# KiCad board vme-wren.kicad_pcb (continued)
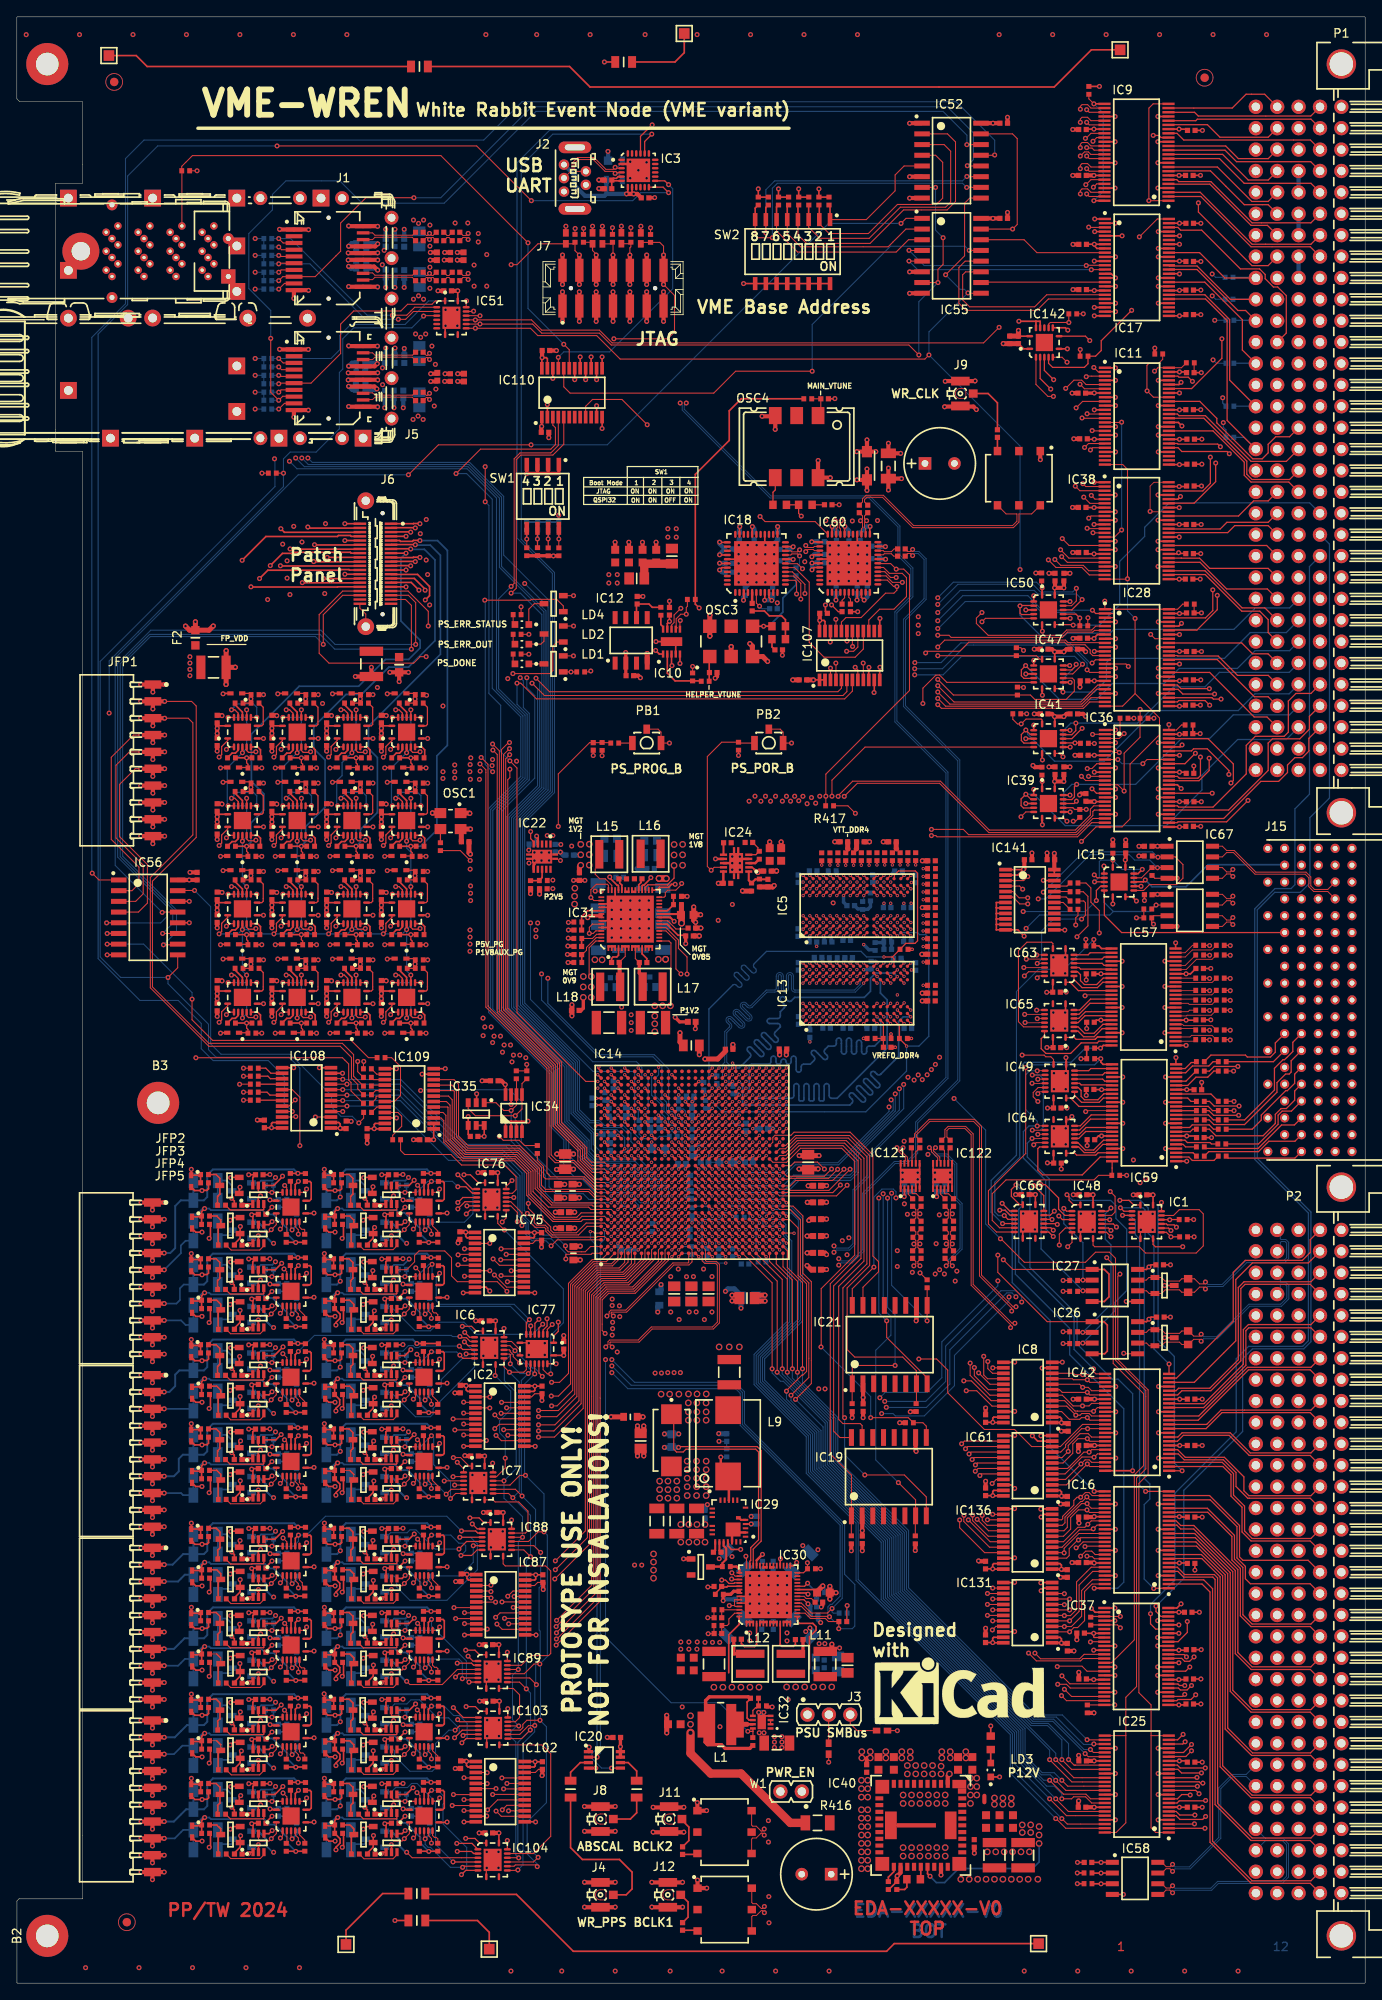
[diagram p0: board, top side]
## Library data of the parts (continued)
C332 C334 C336 C338 = -: Author: CERN DEM WB; Case: 1206; Comment: 22uF; Component Kind: Standard; Component Type: Standard; CreateDate: 07/25/18 00:00:00; Database Table Name: Capacitors; Footprint Library: Capacitors SMD; Footprint Path: PcbLib\Capacitors SMD.PcbLib; Footprint Ref: CAPC3216X180N; LatestRevisionDate: 07/25/18 00:00:00; Library Name: Capacitors SMD; Library Path: SchLib\Capacitors.SchLib; Library Ref: Capacitor - non polarized; License: CC-BY-SA 4.0; Manufacturer: GENERIC; Manufacturer1 ComponentHeight: 1.8mm; Manufacturer1 Example: TDK; Manufacturer1 Part Number: C3216X5R1E226M160; Mounted: Yes; Part Description: SMD Multilayer Chip Ceramic Capacitor; Pin Count: 2; SMD: Yes; Sense: No; Socket: No; Status: None; TC: X5R; Tolerance: ±20%; Val: 22uF; Voltage: 25V
Cage1 = -: Description: SFP; SMD: No; Family: SFP; Library Ref: SFP 1x2 Cage (30Pins); Library Path: SchLib\Connectors.SchLib; Component Kind: Standard; Component Type: Standard; Pin Count: 30; Footprint Path: PcbLib\TYCO THD.PcbLib; Mounted: Yes; Socket: No; PressFit: Yes; Sense: No; Status: None; Part Description: 1x2 Press Fit SFP Ganged (Single Row) Cage; Manufacturer: TYCO ELECTRONICS; Manufacturer Part Number: 1761014-3; ComponentHeight: 9.7mm; Author: CERN DEM JLC; CreateDate: 10/23/17 00:00:00; LatestRevisionDate: 10/23/17 00:00:00; Database Table Name: Connectors; Library Name: TYCO; Footprint Library: TYCO THD; License: CC-BY-SA 4.0
Cage3 = -: Description: SFP+; Library Ref: SFP+ 1x1 Cage (20Pins); Library Path: SchLib\Connectors.SchLib; Component Kind: Standard; Component Type: Standard; Pin Count: 20; Footprint Path: PcbLib\MOLEX THD.PcbLib; Family: SFP+; Mounted: Yes; Socket: No; SMD: No; PressFit: Yes; Sense: No; Status: None; Part Description: 1x1 Press Fit Cage for Use with SFP Connector (Small Form-factor Pluggable); Manufacturer: MOLEX; Manufacturer Part Number: 74737-0009; ComponentHeight: 9.7mm; Author: CERN DEM MR; CreateDate: 01/26/16 00:00:00; LatestRevisionDate: 01/26/16 00:00:00; Database Table Name: Connectors; Library Name: MOLEX; Footprint Library: MOLEX THD; License: CC-BY-SA 4.0
D1 D2 D4-D8 = -: Author: CERN DEM MR; Bonding: No; Case: 0402; Component Kind: Standard; Component Type: Standard; ComponentHeight: 0.44mm; CreateDate: 11/22/19 00:00:00; Database Table Name: ICs And Semiconductors; Footprint Library: ICs And Semiconductors SMD; Footprint Path: PcbLib\ICs And Semiconductors SMD.PcbLib; Footprint Ref: EATON_0402ESDA-MLP; LatestRevisionDate: 11/22/19 00:00:00; Library Name: Diodes; Library Path: SchLib\Diodes.SchLib; Library Ref: Diode TVS Bi-Directional; License: CC-BY-SA 4.0; Manufacturer: EATON; Mounted: Yes; PackageDescription: 0402, 2-Leads, Body 1.1mm L X 0.53mm W X 0.44mm H body, IPC Medium Density; Part Description: 0.05pF 8kV Bidirectional ESD Voltage Suppressor; Pin Count: 2; PressFit: No; SMD: Yes; Sense: No; Socket: No; Voltage: 8kV
D3 D9 D13 D14 D17 D18 D21 D22 D25 D26 D33 D34 D37 D38 D41 D42 D45 D46 D48 D49 D51 D52 D55 D56 D59 D60 D63 D64 D69 D70 D73-D106 = -: SMD: Yes; Library Ref: Diode ESD; Library Path: SchLib\Diodes.SchLib; Component Kind: Standard; Component Type: Standard; PackageDescription: Ultra Small Outline Diode Flat Lead (SOD-523), Body; 1.2mm L X 0.8mm W X 0.65mm H, IPC Medium Density; Voltage: 3V3; Power: 330W; Part Description: ESD protection diode (23kV); Manufacturer: NXP SEMICONDUCTORS; Pin Count: 2; Case: SOD523; Mounted: Yes; Socket: No; PressFit: No; Sense: No; Bonding: No; ComponentHeight: 0.65mm; Footprint Path: PcbLib\ICs And Semiconductors SMD.PcbLib; Footprint Ref: SODFL1608X65N; Author: CERN DEM JLC; CreateDate: 11/29/12 00:00:00; LatestRevisionDate: 11/29/12 00:00:00; Database Table Name: ICs And Semiconductors; Library Name: Diodes; Footprint Library: ICs And Semiconductors SMD; License: CC-BY-SA 4.0
D10 = -: Author: CERN DEM JLC; Bonding: No; Case: SOT23-3; Component Kind: Standard; Component Type: Standard; ComponentHeight: 1.3mm; CreateDate: 06/15/11 00:00:00; Database Table Name: ICs And Semiconductors; Footprint Library: ICs And Semiconductors SMD; Footprint Path: PcbLib\ICs And Semiconductors SMD.PcbLib; Footprint Ref: SOT95P240X130-3N; LatestRevisionDate: 06/15/11 00:00:00; Library Name: Diodes; Library Path: SchLib\Diodes.SchLib; Library Ref: Diode Zener A1C3; License: CC-BY-SA 4.0; Manufacturer: FAIRCHILD SEMICONDUCTOR; Mounted: Yes; PackageDescription: SOT, 0.95mm Pitch; 3 Pin, 1.30mm W X 2.90mm L X 1.30mm H body, IPC Medium Density; Part Description: Zener Diode; Pin Count: 3; Power: 350mW; PressFit: No; SMD: Yes; Sense: No; Socket: No; Voltage: 3V3
D11 D12 D15 D16 D19 D20 D23 D24 D27 D28 D31 D32 D35 D36 D39 D40 D43 D44 D47 D50 D53 D54 D57 D58 D61 D62 D65-D68 D71 D72 = -: Library Ref: Diode x2 A1C3_A3C2; Library Path: SchLib\Diodes.SchLib; Component Kind: Standard; Component Type: Standard; PackageDescription: SOT, 0.95mm Pitch; 3 Pin, 1.30mm W X 2.90mm L X 1.10mm H body, IPC Medium Density; Part Description: Silicon PIN Diode Array (Series Connected); Manufacturer: INFINEON; Pin Count: 3; Case: SOT23-3; Mounted: Yes; Socket: No; PressFit: No; SMD: Yes; Sense: No; Bonding: No; ComponentHeight: 1.1mm; Footprint Path: PcbLib\ICs And Semiconductors SMD.PcbLib; Footprint Ref: SOT95P240X110-3N; Author: CERN DEM JLC; CreateDate: 01/18/10 00:00:00; LatestRevisionDate: 10/05/10 00:00:00; Database Table Name: ICs And Semiconductors; Library Name: Diodes; Footprint Library: ICs And Semiconductors SMD; License: CC-BY-SA 4.0; Voltage: 150V; Power: 250mA
D29 D30 = -: Library Ref: SM712; Library Path: SchLib\Diodes.SchLib; Component Kind: Standard; Component Type: Standard; PackageDescription: SOT, 0.95mm Pitch; 3 Pin, 1.30mm W X 2.92mm L X 1.12mm H body, IPC Medium Density; Voltage: 12V/-7V; Power: 400W; Part Description: Asymmetrical TVS Diode for Extended Common-Mode RS-485; Manufacturer: SEMTECH; Pin Count: 3; Case: SOT23-3; Mounted: Yes; Socket: No; SMD: Yes; PressFit: No; Sense: No; Bonding: No; ComponentHeight: 1.12mm; Footprint Path: PcbLib\ICs And Semiconductors SMD.PcbLib; Footprint Ref: SOT95P237X112-3N; Author: CERN DEM JLC; CreateDate: 09/03/14 00:00:00; LatestRevisionDate: 01/13/15 00:00:00; Database Table Name: ICs And Semiconductors; Library Name: Diodes; Footprint Library: ICs And Semiconductors SMD; License: CC-BY-SA 4.0
F1 F2 = -: Description: 750mA-6V; Library Ref: Fuse; Library Path: SchLib\Fuses.SchLib; Comment: 750mA-6V; Component Kind: Standard; Component Type: Standard; Pin Count: 2; Footprint Path: PcbLib\Fuses.PcbLib; Footprint Ref: FUSR_LITTELFUSE_0603L; PackageDescription: Surface Mount POLY-FUSE® Resettable PTC, Low Rho Series; Family: Fuses Resettable; Mounted: Yes; Socket: No; SMD: Yes; PressFit: No; Sense: No; Part Description: POLYFUSE® Surface Mount Resettable PTC; Manufacturer: LITTELFUSE; Manufacturer Part Number: 0603L075SL; ComponentHeight: 0.75mm; Author: CERN DEM BC; CreateDate: 01/05/21 00:00:00; LatestRevisionDate: 01/05/21 00:00:00; Database Table Name: Eletro-mechanical; Library Name: Fuses; Footprint Library: Fuses; License: CC-BY-SA 4.0
FTG1-FTG6 = -: Datasheet: Undefined; SMD: Yes; Library Ref: Fiducial Target; Library Path: SchLib\Pads.SchLib; Component Kind: Standard (No BOM); Component Type: Standard (No BOM); Pin Count: 1; Footprint Path: PcbLib\Pads.PcbLib; Footprint Ref: FIDUCIAL_TOP_C100-200; Family: Fiducial; Mounted: No; Socket: No; Sense: No; Status: None; Part Description: Round Fiducial Target, Top Layer, 1.0mm, Top Solder 2.0mm, Keepout =2.0mm; ComponentHeight: 0mm; HelpURL: Undefined; Author: CERN DEM JLC; CreateDate: 02/09/10 00:00:00; LatestRevisionDate: 04/04/12 00:00:00; PackageDescription: Round Fiducial Target, Top Layer, 1.0mm, Top Solder 2.0mm, Keepout =2.0mm; Database Table Name: Eletro-mechanical; Library Name: Pads; Footprint Library: Pads; License: CC-BY-SA 4.0
IC1 IC6 IC7 IC48 IC49 IC51 IC63-IC66 IC76 IC77 IC88 IC89 IC103 IC104 = -: Library Ref: 74595_a; Library Path: SchLib\Standard Logic.SchLib; Comment: SN74LV595ARGY; Component Kind: Standard; Component Type: Standard; Device: SN74LV595ARGY; PackageDescription: TEXAS Case Style RGY (R-PVQFN-N16), QFN, 0.50mm Pitch, Rect.; 16 Pin, 4.00mm L X 3.50mm W X 1mm H body (w/Thermal Tab 2.65 X 2.15mm); Part Description: 8-Bit Shift Register with 3-State Output Registers; Manufacturer: TEXAS INSTRUMENTS; Manufacturer Part Number: SN74LV595ARGY; Pin Count: 17; Case: QFN16; Mounted: Yes; Socket: No; SMD: Yes; PressFit: No; Sense: No; Bonding: No; ComponentHeight: 1mm; Footprint Path: PcbLib\ICs And Semiconductors SMD.PcbLib; Footprint Ref: TEXAS_RGY (R-PVQFN-N16); Author: CERN DEM MR; CreateDate: 10/10/17 00:00:00; LatestRevisionDate: 10/10/17 00:00:00; Database Table Name: ICs And Semiconductors; Library Name: Standard Logic; Footprint Library: ICs And Semiconductors SMD; License: CC-BY-SA 4.0
IC3 = -: Author: CERN DEM MR; Bonding: No; Case: QFN24; Component Kind: Standard; Component Type: Standard; ComponentHeight: 0.8mm; CreateDate: 10/12/16 00:00:00; Database Table Name: ICs And Semiconductors; Footprint Library: ICs And Semiconductors SMD; Footprint Path: PcbLib\ICs And Semiconductors SMD.PcbLib; Footprint Ref: QFN50P400X400X80-25N-S280; LatestRevisionDate: 10/12/16 00:00:00; Library Name: Analog & Interface; Library Path: SchLib\Analog & Interface.SchLib; License: CC-BY-SA 4.0; Manufacturer: SILICON LABS; Mounted: Yes; PackageDescription: QFN, 0.50mm Pitch, Square; 24 Pin, 4.00mm L X 4.00mm W X 0.80mm H body (w/Thermal Tab 2.80 X 2.80mm), IPC Medium Density; Part Description: Single-Chip USB to Dual UART Bridge; Pin Count: 25; PressFit: No; SMD: Yes; Sense: No; Socket: No
IC4 = -: Author: CERN DEM JLC; Bonding: No; Case: SOT143B; Component Kind: Standard; Component Type: Standard; ComponentHeight: 1.1mm; CreateDate: 03/22/11 00:00:00; Database Table Name: ICs And Semiconductors; Footprint Library: ICs And Semiconductors SMD; Footprint Path: PcbLib\ICs And Semiconductors SMD.PcbLib; Footprint Ref: SOT190P230X110-4N; LatestRevisionDate: 03/22/11 00:00:00; Library Name: Diodes; Library Path: SchLib\Diodes.SchLib; License: CC-BY-SA 4.0; Manufacturer: NXP SEMICONDUCTORS; Mounted: Yes; PackageDescription: SOT143B, SOT, 1.90mm Pitch; 4 Pin, 1.30mm W X 2.90mm L X 1.10mm H body, IPC Medium Density; Part Description: Ultra Low Capacitance (1pF) Double Rail-to-Rail ESD Protection Diode (8kV); Pin Count: 4; PressFit: No; SMD: Yes; Sense: No; Socket: No; Voltage: 5.5V
IC5 IC13 = -: SMD: Yes; Library Ref: MT40A512M16LY; Library Path: SchLib\Logic.SchLib; Component Kind: Standard; Component Type: Standard; PackageDescription: BGA, 0.80mm Pitch, Rect.; 96 Pin, 9 Columns X 16 Rows, Body 13.50mm X 7.50mm X 1.20mm H; Part Description: +1.2V, 8Gb (512 Meg x 16) Automotive DDR4 SDRAM; Manufacturer: MICRON TECHNOLOGY; Pin Count: 96; Case: BGA96; Mounted: Yes; Socket: No; PressFit: No; Sense: No; Bonding: No; ComponentHeight: 1.2mm; Footprint Path: PcbLib\ICs And Semiconductors SMD_BGA.PcbLib; Footprint Ref: BGA96C80P9X16_750X1350X120; Author: CERN DEM WB; CreateDate: 07/26/19 00:00:00; LatestRevisionDate: 07/26/19 00:00:00; Database Table Name: ICs And Semiconductors; Library Name: Logic; Footprint Library: ICs And Semiconductors SMD_BGA; License: CC-BY-SA 4.0
IC9 IC11 IC28 IC36-IC38 = -: SMD: Yes; Library Ref: 74VMEH22501; Library Path: SchLib\Standard Logic.SchLib; Component Kind: Standard; Component Type: Standard; PackageDescription: SOP, 48-Leads, Body 12.6x6.2mm (max), Pitch 0.50mm, IPC Medium Density; Part Description: 8-Bit Universal Bus Transceiver and Two 1-Bit Bus Transceivers with 3-State Outputs; Manufacturer: TEXAS INSTRUMENTS; Pin Count: 48; Case: TSSOP48; Mounted: Yes; Socket: No; PressFit: No; Sense: No; Bonding: No; ComponentHeight: 1.2mm; Footprint Path: PcbLib\ICs And Semiconductors SMD.PcbLib; Footprint Ref: SOP50P810X120-48N; Author: CERN DEM JLC; CreateDate: 10/27/09 00:00:00; LatestRevisionDate: 10/27/09 00:00:00; Database Table Name: ICs And Semiconductors; Library Name: Standard Logic; Footprint Library: ICs And Semiconductors SMD; License: CC-BY-SA 4.0
IC10 = -: Author: CERN DEM HF; Bonding: No; Case: SON10; Component Kind: Standard; Component Type: Standard; ComponentHeight: 0.8mm; CreateDate: 03/29/23 00:00:00; Database Table Name: ICs And Semiconductors; Footprint Library: ICs And Semiconductors SMD; Footprint Path: PcbLib\ICs And Semiconductors SMD.PcbLib; Footprint Ref: TEXAS_DSC (S-PWSON-N10); LatestRevisionDate: 03/29/23 00:00:00; Library Name: Analog & Interface; Library Path: SchLib\Analog & Interface.SchLib; Library Ref: DAC8562; License: CC-BY-SA 4.0; Manufacturer: TEXAS INSTRUMENTS; Mounted: Yes; PackageDescription: TEXAS Case Style DRC (Formerly DRC (S-PWSON-N10)), SON, 0.50mm Pitch, 10 Pin, 3.00mm W  X 3.00mm L X 0.80mm H body, (w/Thermal Tab 1.05 X 2.55 mm); Part Description: 16-Bit, Low-Power, Buffered, Voltage-Output DACs With 2.5-V, 4-PPM/°C Internal Reference; Pin Count: 11; PressFit: No; SMD: Yes; Sense: No; Socket: No
IC12 = -: Author: CERN DEM MR; Bonding: No; Case: SOIC8; Component Kind: Standard; Component Type: Standard; ComponentHeight: 1.75mm; CreateDate: 10/14/16 00:00:00; Database Table Name: ICs And Semiconductors; Footprint Library: ICs And Semiconductors SMD; Footprint Path: PcbLib\ICs And Semiconductors SMD.PcbLib; Footprint Ref: SOIC127P600X175-8N; LatestRevisionDate: 10/14/16 00:00:00; Library Name: Regulators; Library Path: SchLib\Regulators.SchLib; Library Ref: REF50xx; License: CC-BY-SA 4.0; Manufacturer: TEXAS INSTRUMENTS; Mounted: Yes; PackageDescription: SOIC 8, Pitch 1.27mm, Body 4x5mm, IPC Medium Density; Part Description: 3V, Low-Noise, Very Low Drift, Precision Voltage Reference, Standard Grade; Pin Count: 8; PressFit: No; SMD: Yes; Sense: No; Socket: No
IC14 = -: Author: CERN DEM HF; Bonding: No; Case: BGA784; Component Kind: Standard; Component Type: Standard; ComponentHeight: 3.32mm; ComponentLink1Description: Package/Pinout; ComponentLink2Description: Pinout; CreateDate: 09/20/22 00:00:00; Database Table Name: ICs And Semiconductors; Footprint Library: ICs And Semiconductors SMD_BGA; Footprint Path: PcbLib\ICs And Semiconductors SMD_BGA.PcbLib; Footprint Ref: BGA784C80P28X28_2300X2300X332; LatestRevisionDate: 09/20/22 00:00:00; Library Name: Logic; Library Path: SchLib\Logic.SchLib; License: CC-BY-SA 4.0; Manufacturer: XILINX; Mounted: Yes; PackageDescription: BGA, 0.80mm Pitch, Square; 784 Pin, 28 Columns X 28 Rows, Body 23.0mm X 23.0mm X 3.32mm H, IPC Medium Density; Part Description: Zynq UltraScale+ MPSoC, Quad-Core ARM® Cortex™-A53 MPCore™ up to 1.5GHz, 214 PS I/O, 156 HP I/O, 96 HD I/O, 784-Pin BGA; Pin Count: 784; PressFit: No; SMD: Yes; Sense: No; Socket: No
IC15 IC23 IC39 IC41 IC44 IC47 IC50 IC53 IC62 IC69 IC72 IC78 IC81 IC84 IC90 IC93 IC96 IC99 IC105 IC112 IC115 IC118 IC124-IC130 IC132-IC135 IC137-IC140 IC142 = -: SMD: Yes; Library Ref: 74125; Library Path: SchLib\Standard Logic.SchLib; Component Kind: Standard; Component Type: Standard; PackageDescription: TEXAS Case Style RGY (S-PVQFN-N14), QFN, 0.50mm Pitch, Rect.; 14 Pin, 3.50mm L X 3.50mm W X 1mm H body (w/Thermal Tab 2.15 X 2.15mm); Part Description: 3.3V ABT Quadruple Bus Buffer with 3-State Outputs; Manufacturer: TEXAS INSTRUMENTS; Pin Count: 15; Case: QFN14; Mounted: Yes; Socket: No; PressFit: No; Sense: No; Bonding: No; ComponentHeight: 1mm; Footprint Path: PcbLib\ICs And Semiconductors SMD.PcbLib; Footprint Ref: TEXAS_RGY (S-PVQFN-N14); Author: CERN DEM BC; CreateDate: 04/22/20 00:00:00; LatestRevisionDate: 04/22/20 00:00:00; Database Table Name: ICs And Semiconductors; Library Name: Standard Logic; Footprint Library: ICs And Semiconductors SMD; License: CC-BY-SA 4.0
IC16 IC17 IC25 IC42 IC59 IC123 = -: SMD: Yes; Library Ref: 7416T245; Library Path: SchLib\Standard Logic.SchLib; Component Kind: Standard; Component Type: Standard; PackageDescription: SOP, 48-Leads, Body 12.6x6.2mm (max), Pitch 0.50mm, IPC Medium Density; Part Description: 16-Bit Dual-Supply Bus Transceiver with Configurable Voltage Translation and 3-State Outputs; Manufacturer: TEXAS INSTRUMENTS; Pin Count: 48; Case: TSSOP48; Mounted: Yes; Socket: No; PressFit: No; Sense: No; Bonding: No; ComponentHeight: 1.2mm; Footprint Path: PcbLib\ICs And Semiconductors SMD.PcbLib; Footprint Ref: SOP50P810X120-48N; Author: CERN DEM HF; CreateDate: 03/29/22 00:00:00; LatestRevisionDate: 03/29/22 00:00:00; Database Table Name: ICs And Semiconductors; Library Name: Standard Logic; Footprint Library: ICs And Semiconductors SMD; License: CC-BY-SA 4.0
IC18 IC60 = -: SMD: Yes; Library Ref: SI5340; Library Path: SchLib\Analog & Interface.SchLib; Component Kind: Standard; Component Type: Standard; PackageDescription: QFN, 0.50mm Pitch, Square; 44 Pin, 7.00mm L X 7.00mm W X 0.90mm H body (w/Thermal Tab 5.30 X 5.30mm), IPC Medium Density; Part Description: Low-Jitter, 4-Output, Any-Frequency, Any-Output Clock Generator; Manufacturer: SILICON LABS; Pin Count: 45; Case: QFN44; Mounted: Yes; Socket: No; PressFit: No; Sense: No; Bonding: No; ComponentHeight: 0.9mm; Footprint Path: PcbLib\ICs And Semiconductors SMD.PcbLib; Footprint Ref: QFN50P700X700X90-45N-S530; Author: CERN DEM JLC; CreateDate: 12/14/17 00:00:00; LatestRevisionDate: 12/14/17 00:00:00; Database Table Name: ICs And Semiconductors; Library Name: Analog & Interface; Footprint Library: ICs And Semiconductors SMD; License: CC-BY-SA 4.0
IC19 IC21 = -: Author: CERN DEM MR; Bonding: No; Case: SOIC16; Component Kind: Standard; Component Type: Standard; ComponentHeight: 2.65mm; CreateDate: 06/03/16 00:00:00; Database Table Name: ICs And Semiconductors; Footprint Library: ICs And Semiconductors SMD; Footprint Path: PcbLib\ICs And Semiconductors SMD.PcbLib; Footprint Ref: SOIC127P1030X265-16N; LatestRevisionDate: 06/03/16 00:00:00; Library Name: Logic; Library Path: SchLib\Logic.SchLib; Library Ref: MT25QxxxxxBB8ESF; License: CC-BY-SA 4.0; Manufacturer: MICRON TECHNOLOGY; Mounted: Yes; PackageDescription: SOIC, 1.27mm Pitch; 16 Pin, 7.50mm W X 10.3mm L X 2.65mm H body, IPC Medium Density; Part Description: 512Mbit (64MB), 1.7V-2.0V, Multiple I/O Serial NOR Flash Memory, with Reset# & Hold# Pins, –40°C to +85°C; Pin Count: 16; PressFit: No; SMD: Yes; Sense: No; Socket: No
IC20 = -: Author: CERN DEM MR; Bonding: No; Case: TSSOP8; Component Kind: Standard; Component Type: Standard; ComponentHeight: 1.3mm; CreateDate: 10/07/16 00:00:00; Database Table Name: ICs And Semiconductors; Footprint Library: ICs And Semiconductors SMD; Footprint Path: PcbLib\ICs And Semiconductors SMD.PcbLib; Footprint Ref: SOP65P400X130-8N; LatestRevisionDate: 07/28/20 00:00:00; Library Name: Standard Logic; Library Path: SchLib\Standard Logic.SchLib; Library Ref: 742G126; License: CC-BY-SA 4.0; Manufacturer: TEXAS INSTRUMENTS; Mounted: Yes; PackageDescription: SOP, 0.65mm Pitch; 8 Pin, 2.80mm W X 2.95mm L X 1.30mm H body, IPC Medium Density; Part Description: Dual Bus Buffer Gate With 3-State Outputs; Pin Count: 8; PressFit: No; SMD: Yes; Sense: No; Socket: No
IC22 = -: Author: CERN DEM JLC; Bonding: No; Case: SON10; Component Kind: Standard; Component Type: Standard; ComponentHeight: 1mm; CreateDate: 03/01/11 00:00:00; Database Table Name: ICs And Semiconductors; Footprint Library: ICs And Semiconductors SMD; Footprint Path: PcbLib\ICs And Semiconductors SMD.PcbLib; Footprint Ref: TEXAS_DRC (S-PVSON-N10); LatestRevisionDate: 11/06/13 00:00:00; Library Name: Regulators; Library Path: SchLib\Regulators.SchLib; Library Ref: TPS74801DRC; License: CC-BY-SA 4.0; Manufacturer: TEXAS INSTRUMENTS; Mounted: Yes; PackageDescription: TEXAS Case Style DRC (S-PVSON-N10), SON, 0.50mm Pitch, 10 Pin, 3.00mm W X 3.00mm L X 1.00mm H body, (w/Thermal Tab 1.75 X 2.50mm); Part Description: 0.8V to 3.6V 1.5A Low-Dropout Linear Regulator with Programmable Soft-Start; Pin Count: 11; PressFit: No; SMD: Yes; Sense: No; Socket: No
IC24 = -: Author: CERN DEM JLC; Bonding: No; Case: SON10; Component Kind: Standard; Component Type: Standard; ComponentHeight: 1mm; CreateDate: 02/03/10 00:00:00; Database Table Name: ICs And Semiconductors; Footprint Library: ICs And Semiconductors SMD; Footprint Path: PcbLib\ICs And Semiconductors SMD.PcbLib; Footprint Ref: TEXAS_DRC (S-PVSON-N10); LatestRevisionDate: 09/16/20 00:00:00; Library Name: Regulators; Library Path: SchLib\Regulators.SchLib; Library Ref: TPS51200DRC; License: CC-BY-SA 4.0; Manufacturer: TEXAS INSTRUMENTS; Mounted: Yes; PackageDescription: TEXAS Case Style DRC (S-PVSON-N10), SON, 0.50mm Pitch, 10 Pin, 3.00mm W  X 3.00mm L X 1.00mm H body, (w/Thermal Tab 1.75 X 2.50mm); Part Description: 3.3V Sink/Source DDR Termination Regulator; Pin Count: 11; PressFit: No; SMD: Yes; Sense: No; Socket: No
IC26 IC27 = -: Author: CERN DEM BC; Bonding: No; Case: SOIC8; Component Kind: Standard; Component Type: Standard; ComponentHeight: 1.75mm; CreateDate: 02/10/20 00:00:00; Database Table Name: ICs And Semiconductors; Footprint Library: ICs And Semiconductors SMD; Footprint Path: PcbLib\ICs And Semiconductors SMD.PcbLib; Footprint Ref: SOIC127P600X175-8N; LatestRevisionDate: 02/10/20 00:00:00; Library Name: Analog & Interface; Library Path: SchLib\Analog & Interface.SchLib; Library Ref: MAX3430; License: CC-BY-SA 4.0; Manufacturer: MAXIM; Mounted: Yes; PackageDescription: SOIC, 1.27mm Pitch; 8 Pin, 3.90mm W X 4.90mm L X 1.75mm H body, IPC Medium Density; Part Description: ±80V Fault-Protected, Fail-Safe, 1/4-Unit Load, +3.3V RS-485 Transceiver (-40°C to +85°C); Part Number: REF5030AID; Pin Count: 8; PressFit: No; SMD: Yes; Sense: No; Socket: No
IC29 = -: Author: CERN DEM HF; Bonding: No; Case: PQFN28; Component Kind: Standard; Component Type: Standard; ComponentHeight: 1.1mm; CreateDate: 03/16/23 00:00:00; Database Table Name: ICs And Semiconductors; Footprint Library: ICs And Semiconductors SMD; Footprint Path: PcbLib\ICs And Semiconductors SMD.PcbLib; Footprint Ref: INFINEON_TDA21535; LatestRevisionDate: 03/16/23 00:00:00; Library Name: Regulators; Library Path: SchLib\Regulators.SchLib; Library Ref: TDA21535; License: CC-BY-SA 4.0; Manufacturer: INFINEON; Mounted: Yes; PackageDescription: INFINEON INFINEON_TDA21535 ,PQFN 4 mm x 5 mm X 1.1mm H body; Part Description: 25A Half Bridge Driver for Synchronous Buck Converter; Pin Count: 27; PressFit: No; SMD: Yes; Sense: No; Socket: No; Status: Not Recommended; Status Comment: Solder Paste Deposition Limitation
IC30 IC31 = -: Author: CERN DEM JLC; Bonding: No; Case: QFN; Component Kind: Standard; Component Type: Standard; ComponentHeight: 1mm; CreateDate: 08/21/18 00:00:00; Database Table Name: ICs And Semiconductors; Footprint Library: ICs And Semiconductors SMD; Footprint Path: PcbLib\ICs And Semiconductors SMD.PcbLib; Footprint Ref: INFINEON_PG-VQFN-56-900 (IRPS5401M); LatestRevisionDate: 08/21/18 00:00:00; Library Name: Regulators; Library Path: SchLib\Regulators.SchLib; Library Ref: IRPS5401M; License: CC-BY-SA 4.0; Manufacturer: INFINEON; Mounted: Yes; PackageDescription: INFINEON Package PG-VQFN-56-900 (Version for IRPS5401M), 0.40mm Pitch, Square; 56 Pin, 7.00mm L X 7.00mm W X 1.00mm H Body (w/Thermal Tab 5.6 X 5.6mm); Part Description: Flexible Power Management Unit (4A, 4A, 2A and 2A Switching Regulators + 500mA Source/Sink Linear regulator); Pin Count: 57; PressFit: No; SMD: Yes; Sense: No; Socket: No
IC32 = -: Author: CERN DEM MR; Bonding: No; Case: SON8; Component Kind: Standard; Component Type: Standard; ComponentHeight: 0.8mm; CreateDate: 07/05/16 00:00:00; Database Table Name: ICs And Semiconductors; Footprint Library: ICs And Semiconductors SMD; Footprint Path: PcbLib\ICs And Semiconductors SMD.PcbLib; Footprint Ref: SON50P200X200X80-9N-R100X170; LatestRevisionDate: 07/05/16 00:00:00; Library Name: Regulators; Library Path: SchLib\Regulators.SchLib; Library Ref: TPS62125; License: CC-BY-SA 4.0; Manufacturer: TEXAS INSTRUMENTS; Mounted: Yes; PackageDescription: SON, 0.50mm Pitch; 8 Pin, 2.00mm W X 2.00mm L X 0.80mm H body (w/Thermal Tab 1.00 X 1.70mm), IPC Medium Density; Part Description: 3-V to 17-V, 300-mA Step-Down Converter With Adjustable Enable Threshold and Hysteresis; Pin Count: 9; PressFit: No; SMD: Yes; Sense: No; Socket: No
